# Altium PCB 掌控拓展板Ⅰ V2.1.PcbDoc (part 1 of 2) (continued)
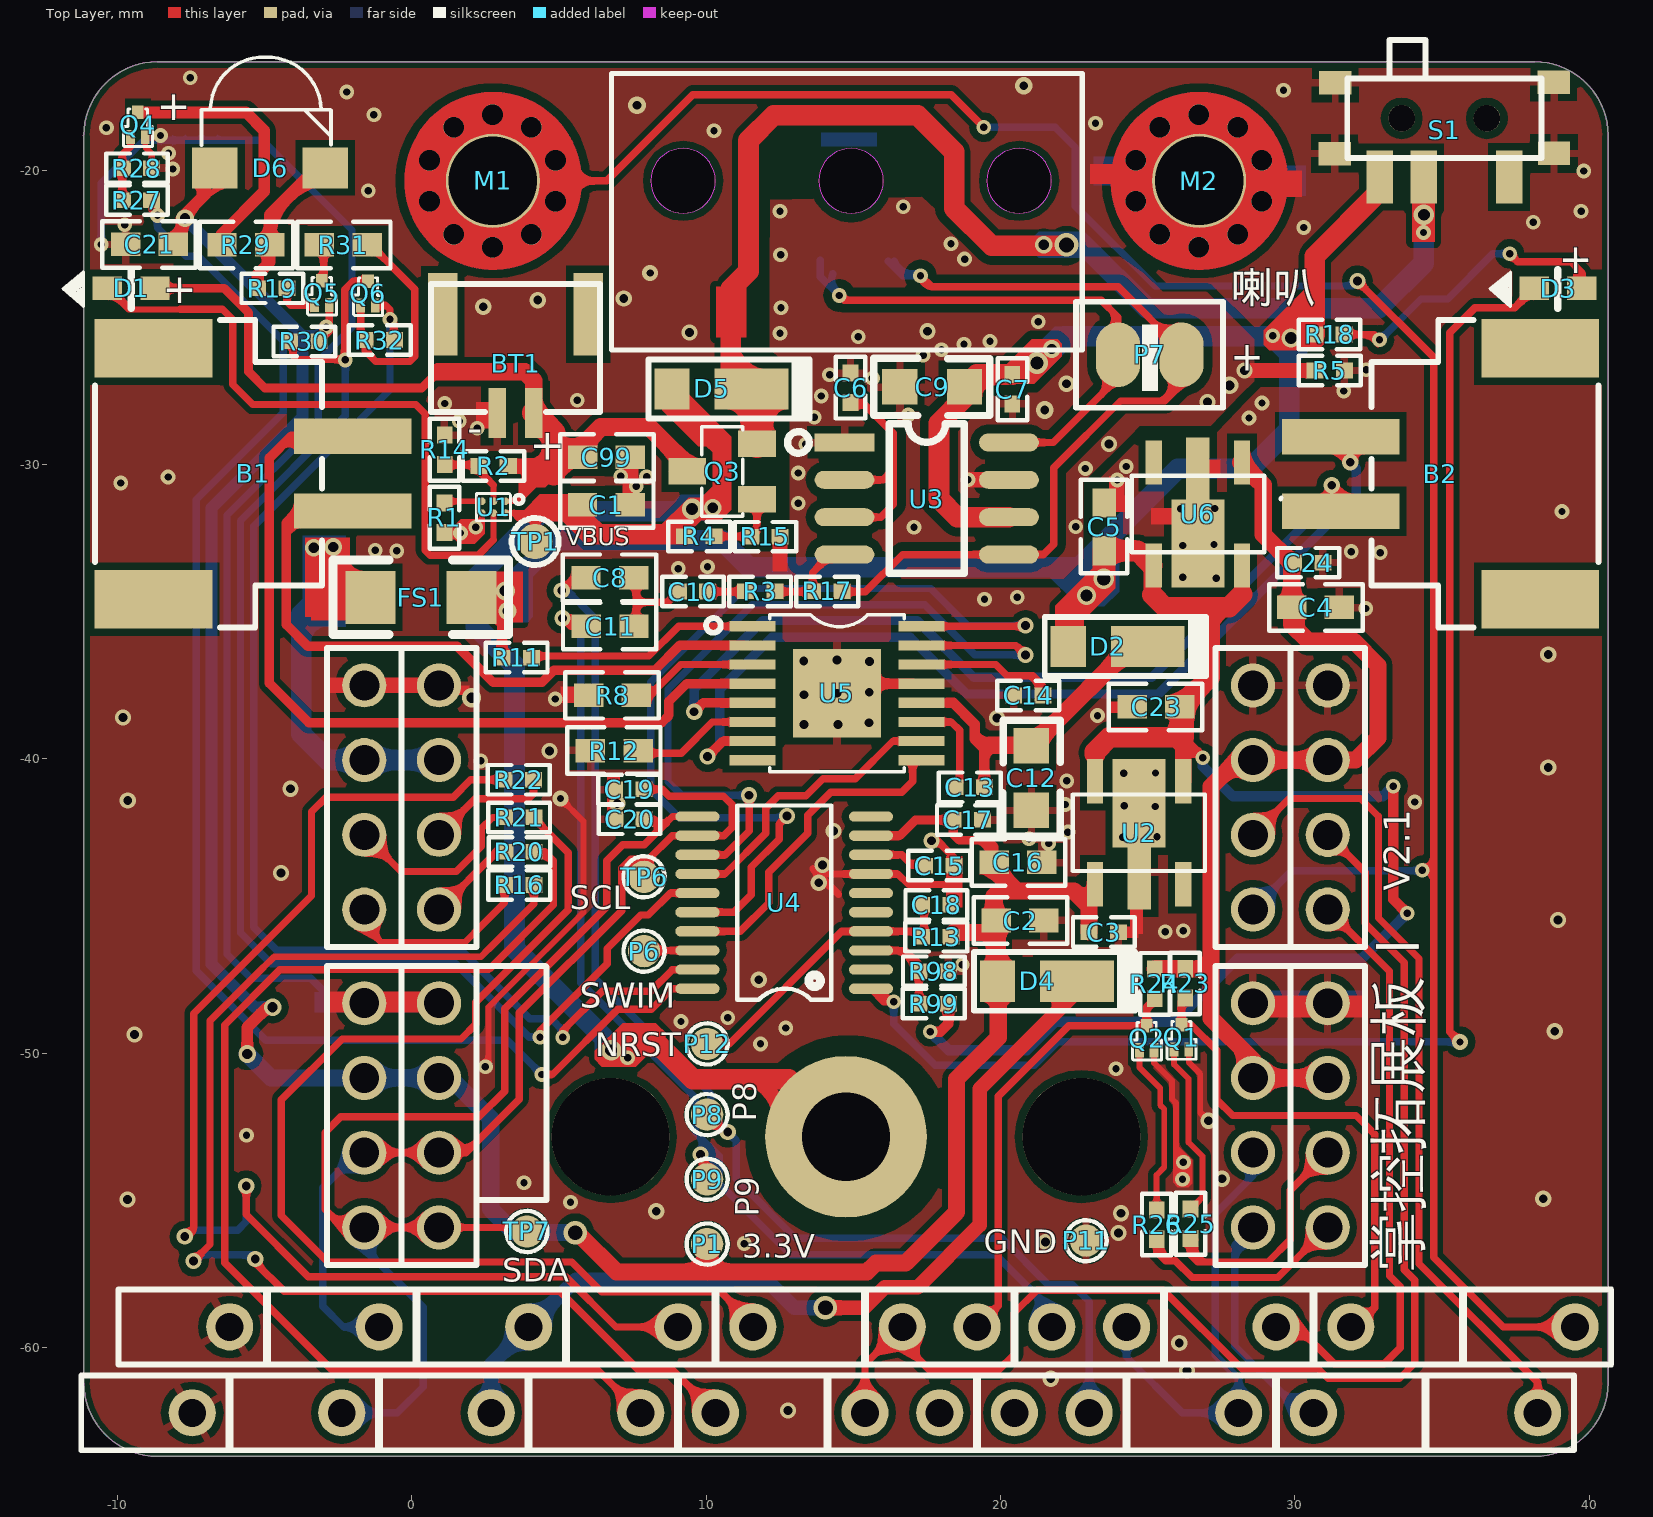
[diagram p0: Top Layer view]
## Footprints (in the part's own frame and the unit in brackets; to place one, negate y for a bottom-side part, rotate by r counter-clockwise, add the part's x,y. Pads: shape width x height; smd on the part's side, far side on the other; paste and mask are expansions set on the pad) (continued)
  rect 1x2.8 smd: 3(-2.475,-1.675) 4(2.475,-1.675)
  silkscreen extent -2.88,-2.7 2.88,1.65
贴片发射管 [mm]
  rect 1.55x1.4 smd: A(-1.875,0) C(1.875,0)
  silkscreen extent -2.32,0.78 2.08,3.76, body extent -2.41,-0.13 2.18,3.83, height 3.5
顶针座子（2.54MM）#1 [mm]
  round 1.6 hole 0.95: 1(-1.27,0)
顶针座子（2.54MM）#2 [mm]
  round 1.6 hole 0.95: 2(1.27,0)
顶针座子（2.54MM）#3 [mm]
  round 1.6 hole 0.95: 1(-1.27,0) 2(1.27,0)

## Part data
B1 B2: library part Motor, "Motor, General Kind"
BT1: library part Battery, "4.2V Li-lon"
C1 C2 C3 C4 C5 C6 C7 C8 C9 C10 C11 C12 C13 C14 C15 C16 C17 C18 C19 C20 C21 C23 C24 C99: library part CAP1_npol, "CAP, CERM, 0.01uF, 100V, +/-5%, X7R, 0603"
D1 D3 D6: library part LED1
D2 D4 D5: library part Diode_Schottky
FS1: library part 电子保险丝, "保险管"
J2 J3 J4 J5 J6 J7 J8 J9 J10 J11: library part pogopin
J12 J13 J14 J15 J16 J17 J18 J19 J20 J21: library part pogopin_32
M1 M2: library part screw
P1 P6 P8 P9 P11 P12 TP1 TP6 TP7: library part TP, "Test Point"
P2 P3 P4 P5: "Header, 4-Pin, Dual row"
P7 P10: library part "Header 2", "Header, 2-Pin"
Q1 Q2 Q4 Q6: library part 2N3904, "NPN General Purpose Amplifier"
Q3: library part PMOS
Q5: library part S8550, "PNP Transistor"
R1 R2 R3 R5 R8 R11 R12 R13 R14 R16 R17 R18 R19 R20 R21 R22 R23 R24 R25 R26 R27 R28 R29 R30 R31 R32 R98 R99: library part RES1, "RES, 1.0k ohm, 5%, 0.1W, 0603"
R4 R15: library part Res2, "Resistor"
S1: "SPDT Subminiature Toggle Switch, Right Angle Mounting, Vertical Actuation"
U1: library part SGM40567, "充电IC"
U2 U6: library part AP2112K
U4: library part STM8S103F2P6, "ST 8-bit  Microcontroller"
U5: library part DRV8833PWP, "DUAL H-BRIDGE MOTOR DRIVER"

## Free pads (board coordinates)
  round 1 smd: 0(14.75,-52.84)
  round 1.1 on Top Overlay: 0(14.754,-52.653)
  round 1 hole 1: 1(14.75,-52.84)
  round 1.2 all layers, no hole: 2(140.368,-0.998) 2(253.148,-82.834) 3(251.33,1.092)
  round 4 hole 4: 8(6.75,-52.84) 8(22.75,-52.84) 8(22.75,-52.84) 8(160.299,-75.41) 8(160.299,-24.02) 8(176.299,-75.41) 8(176.299,-24.02) 8(216.099,-75.405) 8(216.099,-24.015) 8(232.099,-75.405) 8(232.099,-24.015)
  round 2.2 hole 2.2: 28(9.214,-20.357) 28(14.922,-20.357) 28(20.631,-20.357)
  round 5.5 hole 3: M3(14.75,-52.84) M3(168.299,-75.41) M3(168.299,-24.02) M3(224.099,-75.405) M3(224.099,-24.015)

## Via types
v1: diameter 0.5, hole 0.25, Top Layer to Bottom Layer, tented both sides, 126 vias
v2: diameter 0.55, hole 0.3, Top Layer to Bottom Layer, tented both sides, 64 vias
v3: diameter 0.6, hole 0.35, Top Layer to Bottom Layer, tented both sides, 10 vias
v4: diameter 0.7, hole 0.4, Top Layer to Bottom Layer, tented both sides, 3 vias
v5: diameter 0.65, hole 0.4, Top Layer to Bottom Layer, tented both sides, 3 vias
v6: diameter 0.6, hole 0.3, Top Layer to Bottom Layer, tented both sides, 3 vias
v7: diameter 0.55, hole 0.25, Top Layer to Bottom Layer, tented both sides, 3 vias
v8: diameter 0.8, hole 0.5, Top Layer to Bottom Layer, tented both sides, 3 vias
v9: diameter 0.75, hole 0.45, Top Layer to Bottom Layer, tented both sides, 1 vias
v10: diameter 0.65, hole 0.35, Top Layer to Bottom Layer, tented both sides, 1 vias
v11: diameter 0.7, hole 0.45, Top Layer to Bottom Layer, tented both sides, 1 vias

## Nets (pads, with @x,y where several pads share a name; then routed paths per layer and width w, separated by ;. In a path a pad name is that pad's centre, name@x,y a point inside that pad or via, vN(x,y) a via of type N, cw(c..) or ccw(c..) an arc to the next point about the centre after c; other vN are vias at no path point)
3V3_1: C2.1 C3.2 C16.1 C17.2 C21.1 D4.A D6.A P1.1 P5.5 P5.6 Q5.2 R13.1 R30.1 U2.1 U4.9 | length 102.5
  Top Layer w0.2: C21.1@-8.396,-22.249 ccw(c-8.448,-21.711) v3@-7.91,-21.659 ; C21.1@-7.746,-22.311 cw(c-5.53,-22.583) D6.A@-6.258,-20.473 ; D6.A@-7.348,-20.498 cw(c-7.634,-20.793) -7.34,-21.08 ; R30.1@-3.308,-25.66 ccw(c-3.345,-25.366) v1@-3.05,-25.328 ; v1@-3.042,-25.245 ccw(c-3.097,-24.975) -2.827,-24.919 ; 19.17,-42.792 cw(c19.104,-43.27) C16.1@19.582,-43.335 ; 19.313,-45.991 cw(c18.935,-46.558) D4.A@19.502,-46.936 ; D4.A@19.45,-48.155 cw(c19.293,-48.627) 19.765,-48.784 ; 20.108,-48.624 cw(c20.495,-48.524) D4.A@20.395,-48.138 ; C2.1@20.246,-45.779 ccw(c20.907,-46.309) D4.A@20.377,-46.97
  Top Layer w0.25: R30.1@-3.036,-25.687 -2.813,-25.464 Q5.2@-2.813,-24.579
  Top Layer w0.3: U4.9@15.6,-42.61 16.578,-42.61 17.116,-42.072 C17.2@18.393,-42.072 18.393,-42.557 18.599,-42.763 19.556,-42.763 19.782,-42.989 C16.1@19.782,-43.52
  Top Layer w0.4: C21.1@-8.109,-22.519 -7.839,-22.249 -7.839,-21.634 -7.025,-20.82 D6.A@-7.025,-20.293 ; v3(-5.597,-50.028) -5.597,-49.125 -4.912,-48.439 v3(-4.736,-48.439)
  Top Layer w0.58: v8@5.657,-56.141 6.957,-57.44 10.041,-57.44 ; P1.1@10.029,-56.487 10.041,-56.498 10.041,-57.44 ; R13.1@18.408,-45.896 19.909,-45.896 ; C16.1@19.804,-43.759 20.529,-44.484 ; D4.A@19.899,-47.558 19.899,-45.625 19.782,-45.509 19.782,-44.663 19.961,-44.484 20.529,-44.484 ; D4.A@20.062,-47.721 19.924,-47.859 19.924,-49.465 18.507,-50.882 18.507,-55.403 16.778,-57.132 15.765,-57.132 15.457,-57.44 10.041,-57.44 ; C3.2@23.013,-45.887 23.013,-45.005 22.492,-44.484 20.529,-44.484
  Bottom Layer w0.2: -3.676,-26.117 cw(c-3.195,-26.101) -3.21,-25.621
  Bottom Layer w0.4: v3(-7.714,-21.629) -3.723,-25.621 ; v3(-4.736,-48.439) -5.348,-48.439 -6.807,-46.98 -6.807,-31.471 -3.723,-28.386 -3.723,-25.621 ; v1(-2.916,-25.326) -3.21,-25.621 -3.723,-25.621
  Bottom Layer w0.58: v3(-5.597,-50.028) -4.783,-50.842 P5.5@-1.62,-50.842 P5.6@0.92,-50.842 1.299,-50.842 2.679,-52.222 2.679,-55.302 3.476,-56.099 v8(5.546,-56.099)
3V3_2: C4.1 C24.2 P2.5 P2.6 P4.5 P4.6 R23.1 R24.1 U6.1 | length 40.3
  Top Layer w0.2: 27.727,-49.626 cw(c27.317,-50.293) P4.5@27.984,-50.702
  Top Layer w0.25: R23.1@26.482,-47.248 cw(c26.535,-47.762) 27.049,-47.709 ; R23.1@26.523,-46.986 ccw(c26.592,-46.562) 27.015,-46.631 ; C4.1@30.253,-34.949 ccw(c30.69,-35.256) 30.383,-35.693
  Top Layer w0.58: R24.1@25.247,-47.147 25.262,-47.132 R23.1@26.272,-47.132 ; 25.758,-47.143 27.124,-47.143 27.157,-47.11 ; U6.1@28.163,-29.928 28.929,-30.695 28.929,-32.379 29.952,-33.401 29.897,-33.456 C4.1@29.897,-34.853 29.897,-35.439 30.447,-35.988 31.991,-35.988 32.825,-36.822 32.825,-39.283 32.066,-40.042 P2.6@31.12,-40.042 P2.5@28.58,-40.042 28.059,-40.042 27.157,-40.944 27.157,-47.11 ; P4.6@31.12,-50.842 P4.5@28.58,-50.842 28.58,-50.237 27.157,-48.814 27.157,-47.11
  Bottom Layer w0.58: P4.5@28.412,-50.842 P4.5@28.58,-50.842 P4.6@31.12,-50.842
38KHZ_PLUSE: R27.1 U4.20 | length 49.6
  Top Layer w0.2: R27.1@-8.668,-21.079 ccw(c-8.457,-21.193) v1@-8.571,-21.405
  Top Layer w0.25: R27.1@-8.844,-21.013 -8.844,-21.333 v1(-8.646,-21.531) ; v1(4.41,-50.724) 4.775,-50.724 6.993,-48.506 8.142,-48.506 8.838,-47.81 U4.20@9.7,-47.81
  Bottom Layer w0.25: v1(-8.646,-21.531) -8.646,-21.953 -7.677,-22.921 -7.256,-22.921 -4.377,-25.799 -4.377,-28.228 -7.332,-31.183 -7.332,-47.197 -4.971,-49.559 3.244,-49.559 v1(4.41,-50.724)
AIN1: U4.16 U5.16 | length 32.4
  Top Layer w0.25: U4.16@9.7,-45.21 10.939,-45.21 11.533,-44.617 11.533,-43.673 12.477,-42.729 12.477,-42.216 v2(12.75,-41.942) ; v2@12.699,-41.891 v2@12.744,-41.846 ; U5.16@17.013,-35.495 20.706,-35.495 v2@20.767,-35.557
  Bottom Layer w0.25: v2(12.75,-41.942) 12.689,-42.004 9.084,-42.004 8.118,-41.038 8.118,-37.389 11.297,-34.21 17.624,-34.21 18.886,-35.471 v2(20.853,-35.471)
AIN2: U4.13 U5.15 | length 27.3
  Top Layer w0.25: U4.13@9.7,-43.26 10.652,-43.26 11.464,-42.448 v2@11.464,-41.313 ; U5.15@17.013,-36.145 20.524,-36.145 v2(20.847,-36.467)
  Bottom Layer w0.25: v2(11.457,-41.238) 9.166,-41.238 8.701,-40.773 8.701,-37.63 11.569,-34.762 17.424,-34.762 19.129,-36.467 v2(20.847,-36.467)
AU_GND: C6.1 C7.2 C9.2 R5.2 U3.1 U3.7 | length 2.5
  Top Layer w0.25: v2@28.2,-26.889 v2(28.287,-26.803)
  Top Layer w0.5: v2(28.287,-26.803) R5.2@30.69,-26.803
  other v1: 17.062,-32.13 22.555,-32.115 13.13,-31.316 18.896,-30.517 13.13,-30.285 22.885,-30.133 13.38,-29.312 13.675,-28.393 16.861,-28.313 13.907,-27.67 15.647,-27.063 14.192,-26.947 17.37,-26.287 17.994,-26.099 18.762,-25.912 19.646,-25.814 15.162,-25.652 12.505,-25.537 21.28,-25.141 12.541,-24.671 18.779,-23.016 12.527,-22.871 18.316,-22.495 12.508,-21.395 16.697,-21.233
  other v2: 23.691,-29.304 27.037,-27.875 22.243,-27.251 17.521,-25.468
  other v3: 27.78,-27.308
  other v6: 21.507,-28.146
BIN1: U4.17 U5.9 | length 11.1
  Top Layer w0.25: U4.17@9.7,-45.86 11.158,-45.86 12.121,-44.897 12.121,-43.849 13.448,-42.522 13.448,-41.912 14.232,-41.128 16.65,-41.128 17.013,-40.765 U5.9@17.013,-40.045
BIN2: U4.14 U5.10 | length 9.7
  Top Layer w0.25: U4.14@9.7,-43.91 10.639,-43.91 12.027,-42.522 12.027,-41.681 12.451,-41.257 13.39,-41.257 13.968,-40.678 15.065,-40.678 16.348,-39.395 U5.10@17.013,-39.395
GND: BT1.2 C1.2 C2.2 C3.1 C4.2 C5.2 C12.2 C14.1 C15.2 C16.2 C17.1 C18.1 C19.1 C20.1 C21.2 C23.2 C24.1 C99.2 J11.1 J12.1 M2.1 P2.7 P2.8 P3.7 P3.8 P4.7 P4.8 P5.7 P5.8 P11.1 Q1.2 Q2.2 Q4.2 R1.1 R5.1 R8.2 R12.2 R14.2 R15.1 R28.2 R98.1 S1.0@31.356,-19.431 S1.0@31.375,-17.025 S1.0@38.801,-17.002 S1.0@38.811,-19.425 U1.C2 U2.2 U4.7 U5.0 U5.13 U6.2 | length 74
  Top Layer w0.2: Q4.2@-9.064,-18.862 -9.064,-19.211 -8.844,-19.431 R28.2@-8.844,-19.928 ; R1.1@1.313,-32.303 2.121,-32.303 2.372,-32.052 U1.C2@2.372,-31.647 ; v1(2.497,-50.461) 2.6,-50.358 2.6,-48.441 5.823,-45.218 5.823,-42.12 v7(5.047,-41.344) ; Q2.2@25.218,-49.902 25.218,-50.328 25.829,-50.939 25.829,-51.558 25.97,-51.699 25.97,-53.656 ; Q1.2@26.397,-49.872 26.397,-50.314 26.788,-50.705 26.788,-52.017 v2(27.069,-52.297)
  Top Layer w0.25: 13.628,-43.737 14.494,-44.603 ; 13.712,-43.844 13.741,-43.844 ; 14.095,-43.91 U4.7@15.6,-43.91 16.513,-43.91 16.873,-44.27 18.268,-44.27 18.355,-44.184 ; v2(17.651,-42.781) 17.856,-42.781 18.415,-43.34 C15.2@18.415,-43.625
  Top Layer w0.35: U5.0@14.468,-37.445 U5.13@17.013,-37.445
  Bottom Layer w0.25: v1(-10.559,-22.521) -10.559,-20.434 -9.103,-18.978 -8.32,-18.978 -5.088,-18.978 -2.036,-22.03 -2.036,-25.331 -3.189,-26.483 -3.189,-28.629 -6.282,-31.722 -6.282,-46.643 -5.469,-47.457 -3.444,-47.457 -2.598,-48.302 P5.7@-1.62,-48.302
  other v1: 11.29,-56.471 5.387,-55.067 3.806,-54.404 26.186,-54.289 26.215,-53.71 -5.622,-52.785 23.926,-50.525 11.845,-49.686 12.705,-49.147 9.142,-48.926 10.728,-48.792 18.696,-46.993 25.594,-45.874 26.215,-45.844 21.635,-42.874 20.966,-42.71 24.157,-42.662 25.318,-42.647 22.291,-42.487 25.258,-41.62 24.209,-41.59 22.198,-41.549 34.079,-41.464 22.252,-40.748 24.186,-40.488 25.266,-40.48 2.334,-40.069 23.297,-38.528 4.868,-37.967 32.411,-34.888 19.458,-34.577 20.566,-34.511 27.331,-33.866 26.19,-33.829 9.053,-33.533 10.044,-33.473 32.904,-32.989 31.923,-32.956 -0.52,-32.933 -1.246,-32.909 26.19,-32.748 27.254,-32.713 1.65,-32.326 2.168,-32.131 39.079,-31.596 26.12,-31.498 27.277,-31.492 7.619,-30.74 -9.9,-30.624 23.966,-30.522 -8.287,-30.42 7.092,-30.4 7.973,-30.415 24.272,-30.066 2.216,-28.761 1.612,-28.521 28.445,-28.417 1.119,-27.923 28.887,-27.906 5.616,-27.813 31.666,-27.499 32.433,-26.778 30.303,-21.942 -9.764,-21.848 38.106,-21.769 39.73,-21.393 -1.489,-20.695 39.82,-20.025 -8.131,-19.954 -8.271,-19.417 -8.544,-18.815 10.263,-18.654 -10.383,-18.553 23.23,-18.4 -1.293,-18.109 -2.216,-17.338 29.619,-17.279 -7.529,-16.851
  other v2: 12.776,-62.138 21.71,-61.063 26.339,-60.781 26.072,-59.847 21.533,-56.417 24.013,-56.111 24.093,-55.44 8.301,-55.371 -9.664,-54.973 38.442,-54.948 27.524,-54.266 -9.429,-49.366 38.836,-49.253 11.785,-47.506 38.949,-45.475 13.824,-44.206 -4.452,-43.877 13.947,-43.604 14.32,-42.452 6.976,-41.521 -9.655,-41.415 -4.127,-41.013 38.611,-40.288 4.679,-39.729 13.326,-38.836 14.475,-38.829 15.532,-38.772 19.885,-38.605 -9.816,-38.591 13.319,-37.821 14.443,-37.77 15.541,-37.733 13.312,-36.679 15.553,-36.686 14.447,-36.637 38.611,-36.454 9.432,-25.508 2.421,-24.637 4.275,-24.412 7.195,-24.355
  other v6: 7.645,-17.787 20.788,-17.128
  other v7: 8.094,-23.489
  other v10: 2.028,-37.922
IR_IN: Q6.3 R30.2 U4.15 | length 46.1
  Top Layer w0.25: R30.2@-4.036,-25.687 -4.036,-26.288 -3.898,-26.426 -2.279,-26.426 v1(-2.264,-26.442) -2.287,-26.419 -2.287,-24.053 -1.997,-23.764 Q6.3@-1.496,-23.764 ; v1(4.351,-49.454) 4.351,-49.243 6.635,-46.959 ; 6.641,-46.953 6.635,-46.959 ; U4.15@9.7,-44.56 8.777,-44.56 8.034,-45.303 7.774,-45.303 6.635,-46.442 6.635,-46.959
  Bottom Layer w0.25: v1(-2.264,-26.442) -2.264,-28.34 -5.828,-31.904 -5.828,-45.907 -4.777,-46.957 1.492,-46.957 3.99,-49.454 v1(4.351,-49.454)
IR_IN_EN: Q6.2 R32.2 U4.19 | length 42
  Top Layer w0.25: Q6.2@-1.245,-24.594 -0.881,-24.594 -0.745,-24.73 v1(-0.745,-25.066) -0.611,-25.2 R32.2@-0.611,-25.679 ; v1(5.128,-49.464) 5.128,-49.231 6.464,-47.896 8.116,-47.896 8.852,-47.16 U4.19@9.7,-47.16
  Bottom Layer w0.25: v1(-0.745,-25.066) -0.745,-27.458 -5.378,-32.091 -5.378,-45.72 -4.591,-46.507 1.679,-46.507 4.001,-48.829 4.73,-48.829 5.128,-49.228 v1(5.128,-49.464)
MOTOR_EN: U4.2
NetB1_1: B1.1 U5.2 | length 23.6
  Top Layer w0.25: -4.262,-32.359 cw(c-3.768,-32.506) B1.1@-3.621,-32.012
  Top Layer w0.32: B1.1@-2.011,-31.576 -3.88,-31.576 -4.273,-31.97 -4.273,-35.437 -3.532,-36.179 1.542,-36.179 2.757,-37.393 4.419,-37.393 4.823,-36.989 8.252,-36.989 9.097,-36.145 U5.2@11.273,-36.145
NetB1_2: B1.2 U5.4 | length 29.5
  Top Layer w0.25: -4.528,-29.476 cw(c-4.078,-29.838) B1.2@-3.716,-29.387
  Top Layer w0.32: B1.2@-2.011,-29.036 -4.107,-29.036 -4.843,-29.772 -4.843,-37.43 -3.502,-38.771 8.486,-38.771 8.733,-38.524 8.733,-38.043 9.332,-37.445 U5.4@11.573,-37.445
NetB2_1: B2.1 U5.7 | length 33.7
  Top Layer w0.25: v2@31.963,-29.877 cw(c32.475,-30.011) B2.1@32.609,-29.499
  Top Layer w0.32: v2(10.048,-39.921) 10.575,-39.395 U5.7@11.573,-39.395 ; B2.1@31.563,-29.048 31.563,-29.597 v2(31.885,-29.919)
  Bottom Layer w0.25: v2@31.867,-30.075 cw(c31.81,-30.352) 32.088,-30.409
  Bottom Layer w0.32: v2(10.048,-39.921) 10.464,-39.505 10.464,-37.636 12.234,-35.867 16.927,-35.867 18.856,-37.796 25.373,-37.796 32.091,-31.078 32.091,-30.125 v2(31.885,-29.919)
NetB2_2: B2.2 U5.5 | length 31.6
  Top Layer w0.25: B2.2@30.647,-31.185 ccw(c30.695,-30.701) v2@31.179,-30.749
  Top Layer w0.32: v2(9.59,-38.399) 9.894,-38.095 U5.5@11.573,-38.095 ; v2(31.257,-30.704) 31.563,-31.01 B2.2@31.563,-31.588
  Bottom Layer w0.25: 31.049,-31.299 ccw(c30.814,-30.993) v2@31.12,-30.758
  Bottom Layer w0.32: v2(9.59,-38.399) 9.59,-37.636 11.929,-35.297 17.163,-35.297 19.092,-37.226 25.137,-37.226 31.257,-31.106 v2(31.257,-30.704)
NetBT1_1: BT1.1 C99.1 D1.A Q3.3 R2.1 U1.A1 | length 33.1
  Top Layer w0.2: U1.A1@3.172,-31.247 3.584,-31.247 4.627,-30.204
  Top Layer w0.25: 3.659,-30.161 cw(c3.553,-30.448) 3.84,-30.554 ; 3.935,-29.94 ccw(c3.959,-29.342) 4.556,-29.366 ; BT1.1@4.137,-28.926 cw(c4.072,-29.404) 4.55,-29.469 ; 4.962,-28.987 ccw(c5.443,-28.605) 5.826,-29.086 ; 5,-29.094 ccw(c5.459,-28.86) 5.693,-29.318
  Top Layer w0.3: D1.A@-8.731,-24.01 -6.377,-24.01 -5.55,-24.837 -5.55,-26.846 -4.998,-27.398 0.334,-27.398 0.89,-26.842
  Top Layer w0.5: R2.1@3.32,-30.055 4.569,-30.055
  Top Layer w0.6: 0.89,-26.842 2.367,-26.842 ; 2.367,-26.842 3.835,-26.842 4.145,-27.152 BT1.1@4.145,-28.242 ; 4.826,-30.313 C99.1@5.386,-29.753 ; C99.1@5.798,-29.753 C99.1@5.386,-29.753 ; Q3.3@9.356,-30.233 9.356,-30.013 8.067,-28.723 6.416,-28.723 C99.1@5.386,-29.753
  Top Layer w0.8: BT1.1@4.145,-28.242 4.826,-28.923 4.826,-30.313 4.569,-30.055
NetC6_2: C6.2 U3.2 U3.3 | length 8.4
  Top Layer w0.25: U3.3@14.699,-31.788 15.927,-31.788 16.358,-31.357 16.358,-30.177 ; U3.2@14.699,-30.518 16.018,-30.518 16.358,-30.177 ; C6.2@14.904,-27.884 15.308,-27.884 16.358,-28.934 16.358,-30.177 ; C6.2@15.088,-28.032 cw(c15.269,-28.23) 15.467,-28.049
NetC8_1: C8.1 C10.1 C11.1 | length 3.2
  Top Layer w0.25: C11.1@7.621,-35.349 7.621,-34.678 ; C8.1@7.621,-33.688 7.621,-34.678 ; C10.1@9.051,-34.313 8.686,-34.678 7.621,-34.678
NetC10_2: C10.2 R3.1 | length 1.3
  Top Layer w0.25: C10.2@10.19,-34.318 R3.1@11.495,-34.318
NetC12_1: C12.1 C13.2 D2.C U5.12 | length 13.1
  Top Layer w0.2: 19.078,-38.894 ccw(c19.648,-38.782) 19.759,-39.352 ; 19.496,-40.158 cw(c20.033,-40.159) 20.034,-39.621
  Top Layer w0.25: C12.1@20.797,-39.099 C12.1@21.047,-39.349 ; D2.C@24.787,-36.179 D2.C@25.002,-36.179
  Top Layer w0.3: U5.12@17.013,-38.095 18.189,-38.095
  Top Layer w0.358: 18.189,-38.095 18.39,-38.095 19.118,-38.823 19.118,-39.322 19.33,-39.535 ; C13.2@19.454,-40.964 19.454,-39.659 19.33,-39.535 ; 19.63,-39.535 19.33,-39.535
  Top Layer w0.6: 19.63,-39.535 C12.1@20.963,-39.535 ; C12.1@21.384,-39.232 D2.C@24.554,-36.063
NetC13_1: C13.1 U5.11 | length 3.8
  Top Layer w0.25: U5.11@17.013,-38.745 U5.11@17.313,-38.745 18.327,-38.745 18.614,-39.031 18.614,-40.805 C13.1@18.454,-40.964 ; C13.1@18.319,-41.021 C13.1@18.319,-40.964
NetC14_2: C14.2 U5.14 | length 5.9
  Top Layer w0.2: 20.852,-37.159 cw(c20.744,-37.686) C14.2@21.27,-37.795
  Top Layer w0.25: U5.14@17.013,-36.795 19.84,-36.795 20.22,-37.175 21.095,-37.175 21.445,-37.524 C14.2@21.445,-37.845
NetC15_1: C15.1 U4.8 | length 2.4
  Top Layer w0.2: 16.834,-43.433 ccw(c17.034,-43.273) C15.1@17.195,-43.473
  Top Layer w0.25: U4.8@15.6,-43.26 16.64,-43.26 17.005,-43.625 C15.1@17.415,-43.625
NetD1_C: D1.C U1.B2 | length 24.2
  Top Layer w0.2: D1.C@-10.569,-24.26 cw(c-10.525,-25.29) -9.759,-24.599 ; D1.C@-10.352,-24.01 -9.636,-24.725 -7.869,-24.725 ; D1.C@-10.009,-23.722 ccw(c-9.066,-23.851) -9.436,-24.727 ; 2.772,-32.559 U1.B2@2.772,-31.647
  Top Layer w0.25: -7.869,-24.725 -6.437,-24.725 -6.092,-25.07 -6.092,-27.278 -5.413,-27.958 0.125,-27.958 0.449,-28.281 0.449,-32.911 0.615,-33.078 2.253,-33.078 2.772,-32.559
NetD3_A: D3.A R18.2 | length 12
  Top Layer w0.2: R18.2@31.813,-25.735 cw(c32.234,-26.333) v1@32.832,-25.912
  Top Layer w0.25: R18.2@31.68,-25.578 32.698,-25.578 v1(32.88,-25.759) ; v1(37.303,-22.836) 37.579,-23.112 39.398,-23.112 39.759,-23.473 D3.A@39.759,-24.012 ; 39.509,-23.224 cw(c39.215,-23.537) D3.A@39.527,-23.831
  Bottom Layer w0.25: v1(32.88,-25.759) 32.905,-25.759 34.292,-24.373 35.195,-24.373 36.732,-22.836 v1(37.303,-22.836)
NetD3_C: D3.C U4.1 | length 50.2
  Top Layer w0.2: U4.1@15.999,-47.806 ccw(c16.351,-47.797) v1@16.359,-48.149
  Top Layer w0.258: U4.1@15.617,-47.81 U4.1@15.6,-47.81 16.039,-48.249 v1(16.373,-48.249) ; v7(35.614,-49.618) 35.272,-49.276 35.272,-25.521 36.124,-24.669 37.481,-24.669 D3.C@38.138,-24.012
  Bottom Layer w0.258: v1(16.373,-48.249) 16.373,-48.997 17.78,-50.405 21.151,-50.405 21.937,-49.618 v7(35.614,-49.618) v7@35.642,-49.591
NetD4_C: D4.C J9.1 J17.1 | length 32.1
  Top Layer w0.2: D4.C@21.654,-47.983 cw(c21.362,-48.355) 21.734,-48.647
  Top Layer w0.5: v8(14.052,-58.651) 15.363,-58.651 16.063,-57.951 17.183,-57.951 19.297,-55.837 19.297,-51.21 22.933,-47.574 D4.C@23.489,-47.574
  Bottom Layer w0.5: J17.1@2.694,-62.224 2.694,-60.574 J9.1@3.964,-59.304 5.563,-57.705 12.042,-57.705 12.988,-58.651 v8(14.052,-58.651)
NetD5_C: D5.C Q3.2 S1.3 | length 43.5
  Top Layer w0.25: 10.965,-25.906 ccw(c12.156,-25.684) D5.C@12.378,-26.875 ; D5.C@11.538,-27.428 D5.C@11.726,-27.616
  Top Layer w0.7: D5.C@11.538,-27.428 10.836,-26.725 10.836,-24.034 11.436,-23.434 11.436,-18.987 12.298,-18.126 17.18,-18.126 18.423,-19.369 18.423,-21.284 19.702,-22.564 22.213,-22.564 v8(22.243,-22.534) ; v4@34.382,-21.502 S1.3@34.382,-20.232
  Top Layer w1: Q3.2@11.726,-29.283 D5.C@11.726,-27.616
  Bottom Layer w0.7: v8(22.243,-22.534) 22.832,-22.534 24.98,-24.682 32.854,-24.682 34.388,-23.148 v4(34.388,-21.508)
  other v1: 34.376,-22.113
  other v3: 21.466,-22.529
NetD6_C: D6.C R19.2 R29.2 | length 8.5
  Top Layer w0.2: R29.2@-5.162,-22.781 cw(c-5.368,-23.073) -5.076,-23.279 ; R29.2@-4.732,-22.618 cw(c-2.682,-22.458) D6.C@-2.843,-20.408
  Top Layer w0.4: R19.2@-5.241,-24.009 -5.241,-23.525 -4.834,-23.118 R29.2@-4.834,-22.534 -4.834,-21.516 -3.611,-20.293 D6.C@-3.275,-20.293
NetP3_1: P3.1 R16.2 | length 7.2
  Top Layer w0.22: P3.1@-1.619,-45.121 -1.619,-45.665 -1.052,-46.231 1.806,-46.231 2.126,-45.911
  Top Layer w0.25: P3.1@-1.619,-44.606 P3.1@-1.297,-44.928 ; 2.126,-45.911 3.147,-44.889 R16.2@3.147,-44.285
NetP3_2: P3.2 R20.1 | length 3
  Top Layer w0.25: P3.2@0.921,-45.121 2.886,-43.156 R20.1@3.154,-43.156
NetP3_3: P3.3 R21.2 | length 6.4
  Top Layer w0.25: P3.3@-1.619,-42.581 -0.373,-43.827 1.508,-43.827 2.36,-42.975 2.36,-42.365 2.735,-41.99 R21.2@3.141,-41.99
NetP3_4: P3.4 R22.1 | length 4.5
  Top Layer w0.25: P3.4@0.921,-42.154 P3.4@0.921,-42.581 2.153,-41.35 3.948,-41.35 4.135,-41.163 R22.1@4.135,-40.848
NetP7_1: P7.1 P10.2 U3.8 | length 20.7
  Top Layer w0.2: P7.1@23.696,-25.377 ccw(c23.411,-25.042) 23.746,-24.757
  Top Layer w0.25: v1(14.521,-24.253) 14.68,-24.412 23.421,-24.412 23.991,-24.982 P7.1@23.991,-26.267 23.991,-27.053 21.797,-29.248 U3.8@20.287,-29.248 ; v1@14.6,-24.158 ccw(c14.887,-24.123) 14.922,-24.41 ; 23.425,-27.621 ccw(c23.05,-27.246) P7.1@23.425,-26.871
  Bottom Layer w0.25: P10.2@13.88,-23.059 13.88,-23.612 v1(14.521,-24.253) ; P10.2@14.306,-23.515 ccw(c14.756,-23.714) v1@14.558,-24.164
NetP7_2: P7.2 P10.1 R17.2 U3.5 | length 33.1
  Top Layer w0.2: 25.422,-27.826 ccw(c25.151,-27.227) P7.2@25.75,-26.956
  Top Layer w0.25: v1(17.28,-23.583) 17.658,-23.962 ; v1@17.323,-23.506 ccw(c17.718,-23.566) 17.658,-23.962 ; 25.235,-25.203 ccw(c25.724,-24.503) P7.2@26.023,-25.304 ; 25.251,-25.228 cw(c24.429,-25.972) P7.2@25.527,-26.124 ; R17.2@14.765,-34.318 14.755,-34.308 R17.2@14.612,-34.308 14.622,-34.318 R17.2@14.765,-34.318 ; R17.2@14.765,-34.318 15.41,-34.318 16.671,-33.058 U3.5@20.287,-33.058 21.453,-33.058 21.805,-32.705 21.805,-30.112 24.079,-27.839 25.58,-27.839 26.152,-27.267 P7.2@26.152,-26.267 26.152,-26.115 23.999,-23.962 17.658,-23.962
  Bottom Layer w0.25: P10.1@16.182,-23.088 16.678,-23.583 v1(17.28,-23.583) ; P10.1@16.386,-23.082 ccw(c17.024,-22.824) v1@17.283,-23.462
NetQ1_1: Q1.1 R25.2 | length 6
  Top Layer w0.2: Q1.1@25.897,-49.872 25.897,-50.379 26.388,-50.87 26.388,-53.029 26.862,-53.504 26.862,-54.894 R25.2@26.457,-55.3
NetQ2_1: Q2.1 R26.2 | length 5.9
  Top Layer w0.2: Q2.1@24.718,-49.902 24.718,-50.48 25.429,-51.19 25.429,-51.766 25.563,-51.9 25.563,-53.882 25.308,-54.137 R26.2@25.308,-55.324
NetQ3_1: Q3.1 R4.1 R15.2 | length 2.6
  Top Layer w0.25: R4.1@10.306,-32.44 11.557,-32.44 11.567,-32.45 11.726,-32.29 Q3.1@11.726,-31.183
NetQ4_1: Q4.1 R27.2 R28.1 | length 2.3
  Top Layer w0.25: R27.2@-9.844,-21.013 R28.1@-9.844,-19.928 -9.844,-19.476 -9.564,-19.196 Q4.1@-9.564,-18.862
NetQ4_3: Q4.3 R29.1 | length 9
  Top Layer w0.4: Q4.3@-9.315,-18.032 -5.639,-18.032 -5.021,-18.65 -5.021,-20.718 -6.455,-22.152 R29.1@-6.455,-22.534
NetQ5_1: Q5.1 R19.1 | length 1.4
  Top Layer w0.25: R19.1@-4.241,-24.009 -4.241,-24.464 -4.126,-24.579 Q5.1@-3.313,-24.579
NetQ5_3: Q5.3 R31.1 | length 1.3
  Top Layer w0.25: R31.1@-3.143,-22.534 -2.999,-22.678 Q5.3@-2.999,-23.76
NetQ6_1: Q6.1 R31.2 R32.1 | length 8.5
  Top Layer w0.2: R32.1@-1.408,-25.815 ccw(c-1.119,-26.041) -1.345,-26.33
  Top Layer w0.25: R32.1@-1.745,-25.766 Q6.1@-1.745,-24.594 ; R32.1@-1.596,-25.766 -1.596,-26.126 -1.228,-26.494 -0.071,-26.494 0.094,-26.329 0.094,-25.598 0.094,-24.038 -1.41,-22.534 R31.2@-1.522,-22.534
NetR1_2: R1.2 U1.C1 | length 1.3
  Top Layer w0.2: R1.2@1.161,-31.247 U1.C1@2.372,-31.247
  Top Layer w0.25: R1.2@1.106,-31.303 R1.2@1.161,-31.247
NetR2_2: R2.2 R14.1 U1.B1 | length 2.5
  Top Layer w0.2: U1.B1@2.772,-31.247 2.772,-30.703
  Top Layer w0.25: R14.1@1.065,-30.005 2.074,-30.005 2.772,-30.703
NetR3_2: R3.2 R17.1 U3.4 | length 3.1
  Top Layer w0.25: R3.2@12.495,-34.318 R17.1@13.612,-34.318 ; R17.1@13.612,-34.308 13.612,-33.677 14.231,-33.058 U3.4@14.699,-33.058
NetR8_1: R8.1 U5.3 | length 4.1
  Top Layer w0.25: R8.1@7.628,-37.839 8.088,-37.839 9.133,-36.795 U5.3@11.273,-36.795
NetR11_2: R11.2 U5.1 | length 8
  Top Layer w0.25: R11.2@4.057,-36.559 4.112,-36.504 8.051,-36.504 9.061,-35.495 U5.1@11.573,-35.495
NetR12_1: R12.1 U5.6 | length 4.3
  Top Layer w0.25: R12.1@7.686,-39.806 9.147,-39.806 10.208,-38.745 U5.6@11.573,-38.745
NetR98_2: R98.2 R99.1 U4.3 | length 4
  Top Layer w0.2: U4.3@16.233,-46.535 cw(c16.322,-47.253) R98.2@17.04,-47.165
  Top Layer w0.25: U4.3@15.6,-46.51 16.771,-46.51 17.192,-46.931 ; R99.1@17.23,-48.317 17.23,-47.223 R98.2@17.237,-47.216